# Altium PCB main_io.PcbDoc (part 2 of 3) (continued)
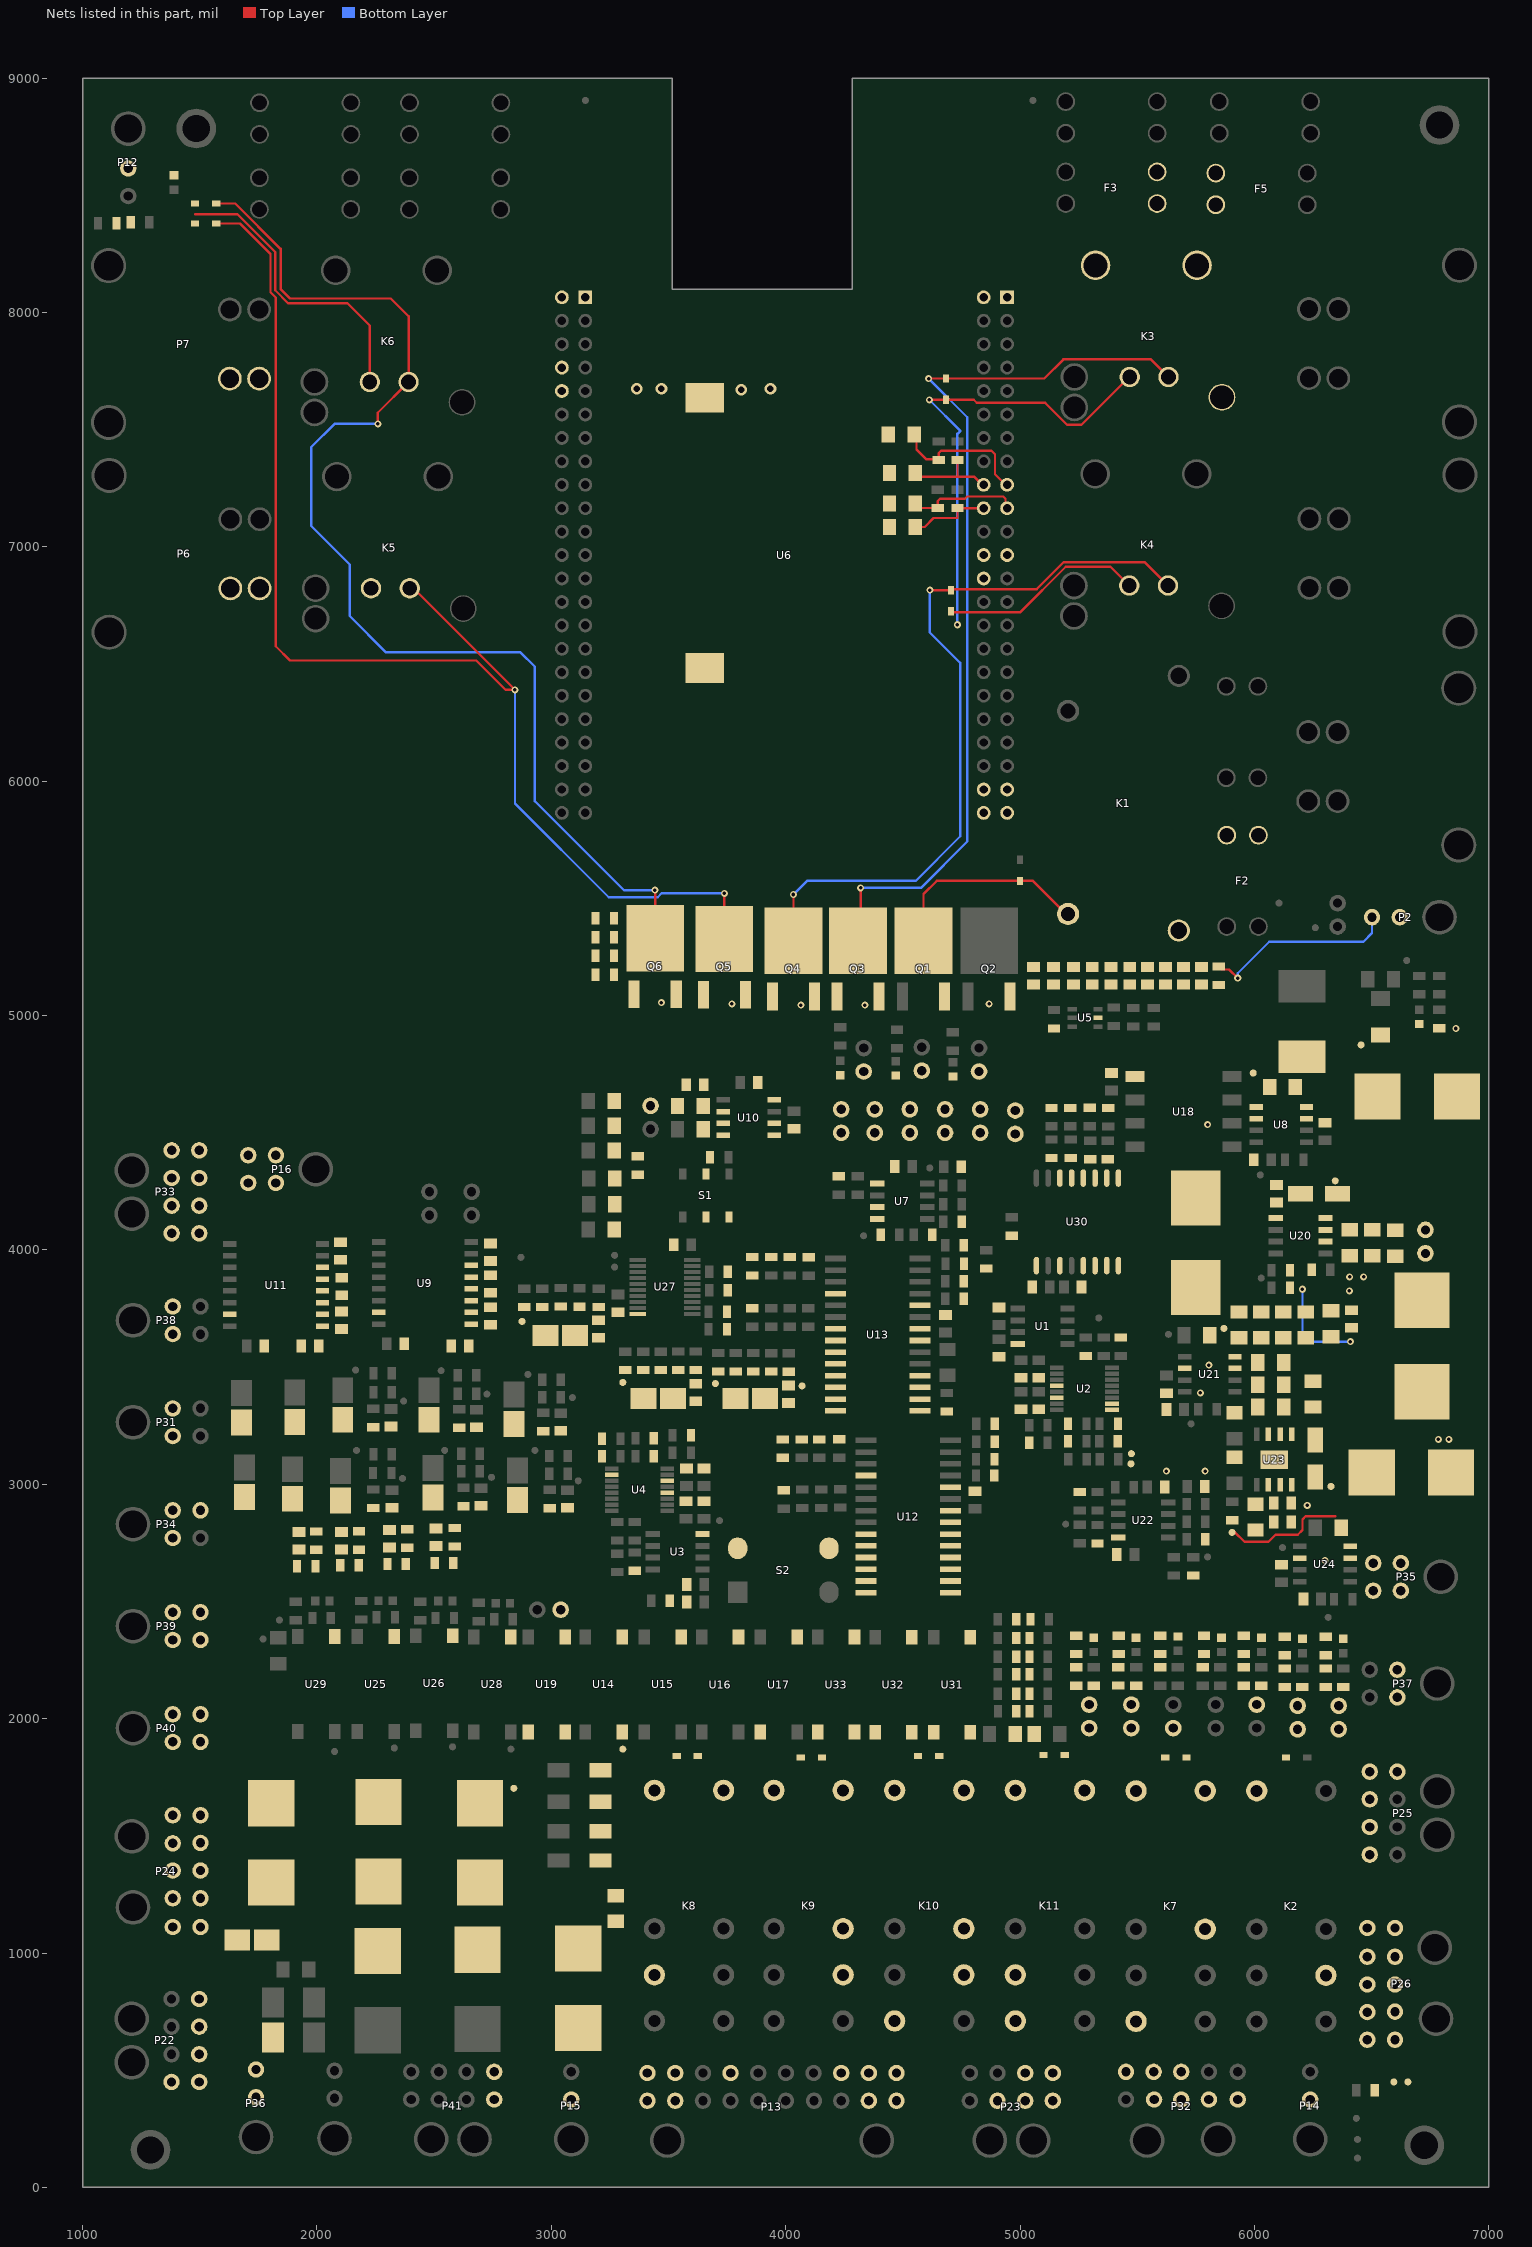
[diagram p4: the nets of this part, all layers, seen from the top]
## Part data (continued)
R94 R95 R100 R101: library part ERJ-6ENF6803V, "RES SMD 680K OHM 1% 1/8W 0805", Digi-Key Part Number=P680KCCT-ND, Manufacturer="Panasonic Electronic Components", Operating Temperature="-55°C ~ 155°C", Package / Case="0805 (2012 Metric)", Power (Watts)="0.125W, 1/8W", Supplier Device Package=0805, Temperature Coefficient=±100ppm/°C, Tolerance=±1%, @ qty=1500, Composition="Thick Film", Datasheets=http://industrial.panasonic.com/www-cgi/jvcr13pz.cgi?E+PZ+3+AOA0002+ERJ6ENF6803V+7+WW, Factory Stock=0, Failure Rate=-, Features="Automotive AEC-Q200", Height - Seated (Max)="0.028\" (0.70mm)", Image=//media.digikey.com/Renders/Panasonic%20Renders/ERJ-0805%20Pkg.jpg, Minimum Quantity=1, Number of Terminations=2, Packaging="Cut Tape (CT)", Part Number=ERJ-6ENF6803V, Part Status=Active, Quantity Available=41854, Series=ERJ, Size / Dimension="0.079\" L x 0.049\" W (2.00mm x 1.25mm)", Unit Price (USD)=0.00729
R96 R97 R103 R104 R151: library part ERJ-6ENF1473V, "RES SMD 147K OHM 1% 1/8W 0805", Digi-Key Part Number=P147KCCT-ND, Manufacturer="Panasonic Electronic Components", Operating Temperature="-55°C ~ 155°C", Package / Case="0805 (2012 Metric)", Power (Watts)="0.125W, 1/8W", Supplier Device Package=0805, Temperature Coefficient=±100ppm/°C, Tolerance=±1%, @ qty=1500, Composition="Thick Film", Datasheets=http://industrial.panasonic.com/www-cgi/jvcr13pz.cgi?E+PZ+3+AOA0002+ERJ6ENF1473V+7+WW, Factory Stock=0, Failure Rate=-, Features="Automotive AEC-Q200", Height - Seated (Max)="0.028\" (0.70mm)", Image=//media.digikey.com/Renders/Panasonic%20Renders/ERJ-0805%20Pkg.jpg, Minimum Quantity=1, Number of Terminations=2, Packaging="Cut Tape (CT)", Part Number=ERJ-6ENF1473V, Part Status=Active, Quantity Available=10283, Series=ERJ, Size / Dimension="0.079\" L x 0.049\" W (2.00mm x 1.25mm)", Unit Price (USD)=0.00729
R105 R106 R107 R116 R117 R118: library part ERJ-P06F1002V, "RES SMD 10K OHM 1% 1/2W 0805", Digi-Key Part Number=P16059CT-ND, Manufacturer="Panasonic Electronic Components", Operating Temperature="-55°C ~ 155°C", Package / Case="0805 (2012 Metric)", Power (Watts)="0.5W, 1/2W", Supplier Device Package=0805, Temperature Coefficient=±100ppm/°C, Tolerance=±1%, @ qty=1500, Composition="Thick Film", Datasheets=https://industrial.panasonic.com/cdbs/www-data/pdf/RDA0000/AOA0000C243.pdf, Factory Stock=0, Failure Rate=-, Features="Automotive AEC-Q200, Pulse Withstanding", Height - Seated (Max)="0.028\" (0.70mm)", Image=//media.digikey.com/Renders/Panasonic%20Renders/ERJ-0805%20Pkg.jpg, Minimum Quantity=1, Number of Terminations=2, Packaging="Cut Tape (CT)", Part Number=ERJ-P06F1002V, Part Status=Active, Quantity Available=42054, Series=ERJ, Size / Dimension="0.079\" L x 0.049\" W (2.00mm x 1.25mm)", Unit Price (USD)=0.02534
R115 R126 R135: library part ERJ-P06F2000V, "RES SMD 200 OHM 1% 1/2W 0805", Digi-Key Part Number=P16064CT-ND, Manufacturer="Panasonic Electronic Components", Operating Temperature="-55°C ~ 155°C", Package / Case="0805 (2012 Metric)", Power (Watts)="0.5W, 1/2W", Supplier Device Package=0805, Temperature Coefficient=±100ppm/°C, Tolerance=±1%, @ qty=1500, Composition="Thick Film", Datasheets=https://industrial.panasonic.com/cdbs/www-data/pdf/RDA0000/AOA0000C243.pdf, Factory Stock=0, Failure Rate=-, Features="Automotive AEC-Q200, Pulse Withstanding", Height - Seated (Max)="0.028\" (0.70mm)", Image=//media.digikey.com/Renders/Panasonic%20Renders/ERJ-0805%20Pkg.jpg, Minimum Quantity=1, Number of Terminations=2, Packaging="Cut Tape (CT)", Part Number=ERJ-P06F2000V, Part Status=Active, Quantity Available=14258, Series=ERJ, Size / Dimension="0.079\" L x 0.049\" W (2.00mm x 1.25mm)", Unit Price (USD)=0.02534
R139 R150: library part ERJ-MP2KF10MU, "RES SMD 0.01 OHM 1% 1/2W 1206", Digi-Key Part Number=P19322CT-ND, Manufacturer="Panasonic Electronic Components", Operating Temperature="-65°C ~ 170°C", Package / Case="1206 (3216 Metric)", Power (Watts)="0.5W, 1/2W", Supplier Device Package=1206, Temperature Coefficient=±75ppm/°C, Tolerance=±1%, @ qty=1500, Composition="Metal Element", Datasheets=https://industrial.panasonic.com/cdbs/www-data/pdf/RDA0000/AOA0000C263.pdf, Factory Stock=0, Failure Rate=-, Features="Automotive AEC-Q200, Current Sense, Moisture Resistant", Height - Seated (Max)="0.045\" (1.15mm)", Image=//media.digikey.com/Photos/Panasonic%20Elect%20Works%20Photos/MFG_ERJ-MS4.jpg, Minimum Quantity=1, Number of Terminations=2, Packaging="Cut Tape (CT)", Part Number=ERJ-MP2KF10MU, Part Status=Active, Quantity Available=2909, Series=ERJ, Size / Dimension="0.125\" L x 0.063\" W (3.18mm x 1.60mm)", Unit Price (USD)=0.15792
R142: library part ERJ-P06J331V, "RES SMD 330 OHM 5% 1/2W 0805", Digi-Key Part Number=P330ADCT-ND, Manufacturer="Panasonic Electronic Components", Operating Temperature="-55°C ~ 155°C", Package / Case="0805 (2012 Metric)", Power (Watts)="0.5W, 1/2W", Supplier Device Package=0805, Temperature Coefficient=±200ppm/°C, Tolerance=±5%, @ qty=1500, Composition="Thick Film", Datasheets=https://industrial.panasonic.com/cdbs/www-data/pdf/RDA0000/AOA0000C243.pdf, Factory Stock=0, Failure Rate=-, Features="Automotive AEC-Q200, Pulse Withstanding", Height - Seated (Max)="0.028\" (0.70mm)", Image=//media.digikey.com/Renders/Panasonic%20Renders/ERJ-0805%20Pkg.jpg, Minimum Quantity=1, Number of Terminations=2, Packaging="Cut Tape (CT)", Part Number=ERJ-P06J331V, Part Status=Active, Quantity Available=74125, Series=ERJ, Size / Dimension="0.079\" L x 0.049\" W (2.00mm x 1.25mm)", Unit Price (USD)=0.01839
R143: library part ERJ-6ENF3241V, "RES SMD 3.24K OHM 1% 1/8W 0805", Digi-Key Part Number=P3.24KCCT-ND, Manufacturer="Panasonic Electronic Components", Operating Temperature="-55°C ~ 155°C", Package / Case="0805 (2012 Metric)", Power (Watts)="0.125W, 1/8W", Supplier Device Package=0805, Temperature Coefficient=±100ppm/°C, Tolerance=±1%, @ qty=1500, Composition="Thick Film", Datasheets=http://industrial.panasonic.com/www-cgi/jvcr13pz.cgi?E+PZ+3+AOA0002+ERJ6ENF3241V+7+WW, Factory Stock=0, Failure Rate=-, Features="Automotive AEC-Q200", Height - Seated (Max)="0.028\" (0.70mm)", Image=//media.digikey.com/Renders/Panasonic%20Renders/ERJ-0805%20Pkg.jpg, Minimum Quantity=1, Number of Terminations=2, Packaging="Cut Tape (CT)", Part Number=ERJ-6ENF3241V, Part Status=Active, Quantity Available=47619, Series=ERJ, Size / Dimension="0.079\" L x 0.049\" W (2.00mm x 1.25mm)", Unit Price (USD)=0.00729
R147 R159: library part ERJ-P06J303V, "RES SMD 30K OHM 5% 1/2W 0805", Digi-Key Part Number=P30KADCT-ND, Manufacturer="Panasonic Electronic Components", Operating Temperature="-55°C ~ 155°C", Package / Case="0805 (2012 Metric)", Power (Watts)="0.5W, 1/2W", Supplier Device Package=0805, Temperature Coefficient=±200ppm/°C, Tolerance=±5%, @ qty=1500, Composition="Thick Film", Datasheets=https://industrial.panasonic.com/cdbs/www-data/pdf/RDA0000/AOA0000C243.pdf, Factory Stock=0, Failure Rate=-, Features="Automotive AEC-Q200, Pulse Withstanding", Height - Seated (Max)="0.028\" (0.70mm)", Image=//media.digikey.com/Renders/Panasonic%20Renders/ERJ-0805%20Pkg.jpg, Minimum Quantity=1, Number of Terminations=2, Packaging="Cut Tape (CT)", Part Number=ERJ-P06J303V, Part Status=Active, Quantity Available=7773, Series=ERJ, Size / Dimension="0.079\" L x 0.049\" W (2.00mm x 1.25mm)", Unit Price (USD)=0.01839
R153: library part ERJ-8ENF5622V, "RES SMD 56.2K OHM 1% 1/4W 1206", Digi-Key Part Number=P56.2KFCT-ND, Manufacturer="Panasonic Electronic Components", Operating Temperature="-55°C ~ 155°C", Package / Case="1206 (3216 Metric)", Power (Watts)="0.25W, 1/4W", Supplier Device Package=1206, Temperature Coefficient=±100ppm/°C, Tolerance=±1%, @ qty=1500, Composition="Thick Film", Datasheets=http://industrial.panasonic.com/www-cgi/jvcr13pz.cgi?E+PZ+3+AOA0002+ERJ8ENF5622V+7+WW, Factory Stock=0, Failure Rate=-, Features="Automotive AEC-Q200", Height - Seated (Max)="0.028\" (0.70mm)", Image=//media.digikey.com/Renders/Panasonic%20Renders/ERJ-1206%20Pkg.jpg, Minimum Quantity=1, Number of Terminations=2, Packaging="Cut Tape (CT)", Part Number=ERJ-8ENF5622V, Part Status=Active, Quantity Available=61996, Series=ERJ, Size / Dimension="0.126\" L x 0.063\" W (3.20mm x 1.60mm)", Unit Price (USD)=0.00933
R154: library part ERJ-8ENF1333V, "RES SMD 133K OHM 1% 1/4W 1206", Digi-Key Part Number=P133KFCT-ND, Manufacturer="Panasonic Electronic Components", Operating Temperature="-55°C ~ 155°C", Package / Case="1206 (3216 Metric)", Power (Watts)="0.25W, 1/4W", Supplier Device Package=1206, Temperature Coefficient=±100ppm/°C, Tolerance=±1%, @ qty=1500, Composition="Thick Film", Datasheets=http://industrial.panasonic.com/www-cgi/jvcr13pz.cgi?E+PZ+3+AOA0002+ERJ8ENF1333V+7+WW, Factory Stock=0, Failure Rate=-, Features="Automotive AEC-Q200", Height - Seated (Max)="0.028\" (0.70mm)", Image=//media.digikey.com/Renders/Panasonic%20Renders/ERJ-1206%20Pkg.jpg, Minimum Quantity=1, Number of Terminations=2, Packaging="Cut Tape (CT)", Part Number=ERJ-8ENF1333V, Part Status=Active, Quantity Available=48755, Series=ERJ, Size / Dimension="0.126\" L x 0.063\" W (3.20mm x 1.60mm)", Unit Price (USD)=0.00933
R155: library part ERJ-8ENF1052V, "RES SMD 10.5K OHM 1% 1/4W 1206", Digi-Key Part Number=P10.5KFCT-ND, Manufacturer="Panasonic Electronic Components", Operating Temperature="-55°C ~ 155°C", Package / Case="1206 (3216 Metric)", Power (Watts)="0.25W, 1/4W", Supplier Device Package=1206, Temperature Coefficient=±100ppm/°C, Tolerance=±1%, @ qty=1500, Composition="Thick Film", Datasheets=http://industrial.panasonic.com/www-cgi/jvcr13pz.cgi?E+PZ+3+AOA0002+ERJ8ENF1052V+7+WW, Factory Stock=0, Failure Rate=-, Features="Automotive AEC-Q200", Height - Seated (Max)="0.028\" (0.70mm)", Image=//media.digikey.com/Renders/Panasonic%20Renders/ERJ-1206%20Pkg.jpg, Minimum Quantity=1, Number of Terminations=2, Packaging="Cut Tape (CT)", Part Number=ERJ-8ENF1052V, Part Status=Active, Quantity Available=13288, Series=ERJ, Size / Dimension="0.126\" L x 0.063\" W (3.20mm x 1.60mm)", Unit Price (USD)=0.00933
R164 R167 R174 R177: library part ERJ-6ENF1001V, "RES SMD 1K OHM 1% 1/8W 0805", Digi-Key Part Number=P1.00KCCT-ND, Manufacturer="Panasonic Electronic Components", Operating Temperature="-55°C ~ 155°C", Package / Case="0805 (2012 Metric)", Power (Watts)="0.125W, 1/8W", Supplier Device Package=0805, Temperature Coefficient=±100ppm/°C, Tolerance=±1%, @ qty=1500, Composition="Thick Film", Datasheets=http://industrial.panasonic.com/www-cgi/jvcr13pz.cgi?E+PZ+3+AOA0002+ERJ6ENF1001V+7+WW, Factory Stock=0, Failure Rate=-, Features="Automotive AEC-Q200", Height - Seated (Max)="0.028\" (0.70mm)", Image=//media.digikey.com/Renders/Panasonic%20Renders/ERJ-0805%20Pkg.jpg, Minimum Quantity=1, Number of Terminations=2, Packaging="Cut Tape (CT)", Part Number=ERJ-6ENF1001V, Part Status=Active, Quantity Available=12895103, Series=ERJ, Size / Dimension="0.079\" L x 0.049\" W (2.00mm x 1.25mm)", Unit Price (USD)=0.00729
R185 R186 R188 R190 R191 R192 R195 R197 R198 R199 R200 R202 R204 R206: library part ERJ-P06F1001V, "RES SMD 1K OHM 1% 1/2W 0805", Digi-Key Part Number=P16058CT-ND, Manufacturer="Panasonic Electronic Components", Operating Temperature="-55°C ~ 155°C", Package / Case="0805 (2012 Metric)", Power (Watts)="0.5W, 1/2W", Supplier Device Package=0805, Temperature Coefficient=±100ppm/°C, Tolerance=±1%, @ qty=1500, Composition="Thick Film", Datasheets=https://industrial.panasonic.com/cdbs/www-data/pdf/RDA0000/AOA0000C243.pdf, Factory Stock=0, Failure Rate=-, Features="Automotive AEC-Q200, Pulse Withstanding", Height - Seated (Max)="0.028\" (0.70mm)", Image=//media.digikey.com/Renders/Panasonic%20Renders/ERJ-0805%20Pkg.jpg, Minimum Quantity=1, Number of Terminations=2, Packaging="Cut Tape (CT)", Part Number=ERJ-P06F1001V, Part Status=Active, Quantity Available=161264, Series=ERJ, Size / Dimension="0.079\" L x 0.049\" W (2.00mm x 1.25mm)", Unit Price (USD)=0.02534
R187 R189 R194 R196 R201 R203 R205: library part ERJ-6ENF6341V, "RES SMD 6.34K OHM 1% 1/8W 0805", Digi-Key Part Number=P6.34KCCT-ND, Manufacturer="Panasonic Electronic Components", Operating Temperature="-55°C ~ 155°C", Package / Case="0805 (2012 Metric)", Power (Watts)="0.125W, 1/8W", Supplier Device Package=0805, Temperature Coefficient=±100ppm/°C, Tolerance=±1%, @ qty=1500, Composition="Thick Film", Datasheets=http://industrial.panasonic.com/www-cgi/jvcr13pz.cgi?E+PZ+3+AOA0002+ERJ6ENF6341V+7+WW, Factory Stock=0, Failure Rate=-, Features="Automotive AEC-Q200", Height - Seated (Max)="0.028\" (0.70mm)", Image=//media.digikey.com/Renders/Panasonic%20Renders/ERJ-0805%20Pkg.jpg, Minimum Quantity=1, Number of Terminations=2, Packaging="Cut Tape (CT)", Part Number=ERJ-6ENF6341V, Part Status=Active, Quantity Available=19605, Series=ERJ, Size / Dimension="0.079\" L x 0.049\" W (2.00mm x 1.25mm)", Unit Price (USD)=0.00729
S1: "SWITCH SLIDE DPDT 200MA 12V", Current Rating=200mA, Manufacturer="Nidec Copal", Max Operating Temperature=85°C, Min Operating Temperature=-40°C, Operating Force=153gf, Supplier Part Number 1=563-1342-6-ND, Voltage Rating (DC)=12V, Actuator Length=2mm, Actuator Material=Nylon,Polyamide, Actuator Type=Standard, ComponentLink1Description=https://www.nidec-copal-electronics.com/e/catalog/switch/cl-sb.pdf?src-supplier=Digi-Key, ComponentLink1URL=https://www.nidec-copal-electronics.com/e/catalog/switch/cl-sb.pdf?src-supplier=Digi-Key, Contact Material=Copper, Contact Plating=Silver, Contact Style=Non-Shorting, Electrical Life=10000Cycles, Lead Free="Lead Free", Mount="Surface Mount", Packaging="Tape and Reel", Pricing 1="1=1.02, 10=0.979, 25=0.9592, 50=0.857, 100=0.8162, 250=0.79584 (USD)", Stock 1=3664, Supplier 1=Digi-Key, Switch Function=On-On, Switch Travel=2mm, Termination="Gull Wing", Throw Configuration=DPDT
S2: library part K12SCS1.55NOLFTX, "OFF-mom push button SPST K12SCS1.55NOLFTX", Current Rating=100mA, Manufacturer="ITT C&K", Max Operating Temperature=85°C, Min Operating Temperature=-40°C, Ratings=IP40, Supplier Part Number 1=CKN10790CT-ND, Voltage Rating (DC)=30V, Actuator Type="Round, Button", ComponentLink1Description=https://www.ckswitches.com/media/1338/k12s.pdf?src-supplier=Digi-Key, ComponentLink1URL=https://www.ckswitches.com/media/1338/k12s.pdf?src-supplier=Digi-Key, ComponentLink2Description=https://www.digikey.com/product-detail/en/c-k/K12SCS1.55NOLFTX/CKN10790CT-ND/7056072, ComponentLink2URL=https://www.digikey.com/product-detail/en/c-k/K12SCS1.55NOLFTX/CKN10790CT-ND/7056072, Electrical Life=200000Cycles, Manufacturer Part Number=K12SCS1.55NOLFTX, Mechanical Life=200000Cycles, Mount="Surface Mount", Packaging="Cut Tape", Pricing 1="1=2.33, 10=2.175, 25=2.0716, 50=1.968, 100=1.9162, 250=1.86436 (USD)", Stock 1=4036, Supplier 1=Digi-Key, Switch Function=Off-Mom, Termination=SMD/SMT, Throw Configuration=SPST
TH1 TH2 TH3 TH4 TH5 TH6: "NTC THERMISTOR 4.7K OHM 5% 0805", Case/Package=0805, Case Code (Metric)=2012, Current Rating=650uA, Manufacturer=Murata, Max Operating Temperature=125°C, Max Power Dissipation=200mW, Min Operating Temperature=-40°C, Package Quantity=4000, Resistance=4.7kR, Supplier Part Number 1=490-2453-1-ND, Tolerance=5%, Accuracy=3%, Case Code (Imperial)=0805, ComponentLink1Description=https://datasheet.ciiva.com/30488/0900766b81259d06-30488337.pdf?src-supplier=RSComponents, ComponentLink1URL=https://datasheet.ciiva.com/30488/0900766b81259d06-30488337.pdf?src-supplier=RSComponents, ComponentLink2Description=https://datasheet.ciiva.com/2848/r44e-2848550.pdf?src-supplier=Digi-Key, ComponentLink2URL=https://datasheet.ciiva.com/2848/r44e-2848550.pdf?src-supplier=Digi-Key, ComponentLink3Description=https://datasheet.ciiva.com/24155/r44e-24155222.pdf?src-supplier=Future+Electronics, ComponentLink3URL=https://datasheet.ciiva.com/24155/r44e-24155222.pdf?src-supplier=Future+Electronics, ComponentLink4Description=https://datasheet.ciiva.com/2848/r44e-2848551.pdf?src-supplier=Digi-Key, ComponentLink4URL=https://datasheet.ciiva.com/2848/r44e-2848551.pdf?src-supplier=Digi-Key, ComponentLink5Description=https://datasheet.ciiva.com/2848/r44e-2848552.pdf?src-supplier=Digi-Key, ComponentLink5URL=https://datasheet.ciiva.com/2848/r44e-2848552.pdf?src-supplier=Digi-Key, ComponentLink6Description=https://datasheet.ciiva.com/16634/l0770c-16634105.pdf?src-supplier=Avnet+Europe, ComponentLink6URL=https://datasheet.ciiva.com/16634/l0770c-16634105.pdf?src-supplier=Avnet+Europe, ComponentLink7Description=https://datasheet.ciiva.com/3280/l0770c-3280522.pdf?src-supplier=Avnet, ComponentLink7URL=https://datasheet.ciiva.com/3280/l0770c-3280522.pdf?src-supplier=Avnet, Depth=1.25mm, DNP=DNP, Height=0.85mm, Lead Free="Lead Free", Length=2mm, Manufacturer Part Number=NCP21XM472J03RA, Mount="Surface Mount", Number of Pins=2, Packaging="Tape and Reel", Power Rating=200mW, Pricing 1="1=0.20000, 5=0.19400, 10=0.17300, 25=0.15920, 50=0.12760, 100=0.10930, 500=0.09564, 1000=0.08197 (USD)", Radiation Hardening=No, REACH SVHC="No SVHC", RoHS=Yes, Stock 1=51855, Supplier 1=Digi-Key, Termination=SMD/SMT, Width=1.25mm
TP1 TP2 TP3 TP4 TP5 TP6 TP7 TP8 TP9 TP10 TP11 TP12 TP13 TP14 TP15 TP16 TP17 TP18 TP19 TP20 TP21 TP22 TP23 TP24 TP25 TP26 TP27 TP28 TP29 TP30 TP31 TP32 TP33 TP34 TP35 TP36 TP37 TP38 TP39 TP40 TP41 TP42 TP43 TP44 TP45 TP46 TP47 TP48 TP49 TP50 TP51 TP52 TP53 TP54 TP55 TP56 TP57: "SMD TEST POINT"
U1 U3: "IC VREF SERIES 4.5V 8SOIC", Case/Package=R, Manufacturer="Analog Devices", Max Input Voltage=18V, Max Operating Temperature=85°C, Max Output Current=30mA, Max Output Voltage=4.5V, Min Input Voltage=4.75V, Min Operating Temperature=-40°C, Min Output Voltage=4.49V, Nominal Supply Current=45uA, Package Quantity=98, Quiescent Current=15uA, Supplier Part Number 1=REF194GSZ-ND, Temperature Coefficient=25ppm/°C, ComponentLink1Description=https://datasheet.ciiva.com/17219/ref19xseries-17219157.pdf?src-supplier=Avnet+Europe, ComponentLink1URL=https://datasheet.ciiva.com/17219/ref19xseries-17219157.pdf?src-supplier=Avnet+Europe, ComponentLink2Description=https://datasheet.ciiva.com/22666/1506113-22666153.pdf?src-supplier=Element14, ComponentLink2URL=https://datasheet.ciiva.com/22666/1506113-22666153.pdf?src-supplier=Element14, ComponentLink3Description=https://datasheet.ciiva.com/2005/ref19xseries-2005902.pdf?src-supplier=Digi-Key, ComponentLink3URL=https://datasheet.ciiva.com/2005/ref19xseries-2005902.pdf?src-supplier=Digi-Key, ComponentLink4Description=https://datasheet.ciiva.com/3235/ref19xseries-3235518.pdf?src-supplier=Avnet, ComponentLink4URL=https://datasheet.ciiva.com/3235/ref19xseries-3235518.pdf?src-supplier=Avnet, Height=1.5mm, Lead Free="Contains Lead", Length=5mm, Manufacturer Part Number=REF194GSZ, Number of Channels=1, Number of Pins=8, Operating Supply Current=45uA, Output Current=30mA, Output Voltage=4.5V, Packaging=Rail/Tube, Pricing 1="1=3.56000, 10=3.19700, 25=3.02240, 100=2.61940, 250=2.48512, 500=2.22988, 1000=1.88062, 2500=1.78659 (USD)", Radiation Hardening=No, REACH SVHC="No SVHC", Reference Type=Series, Reference Voltage=4.5V, RoHS=Yes, Stock 1=359, Supplier 1=Digi-Key, Width=4mm
U2 U4: "Analog to Digital Converters - ADC", Case/Package=TSSOP, Manufacturer="TI National Semiconductor", Max Operating Temperature=125°C, Max Power Dissipation=33mW, Max Supply Voltage=5.5V, Min Operating Temperature=-40°C, Min Supply Voltage=3V, Package Quantity=2500, Power Consumption=2mW, Power Dissipation=2.01mW, Supplier Part Number 1=296-41182-1-ND, ComponentLink1Description=https://datasheet.ciiva.com/14259/adc128d818-14259977.pdf?src-supplier=Avnet, ComponentLink1URL=https://datasheet.ciiva.com/14259/adc128d818-14259977.pdf?src-supplier=Avnet, Contact Plating=Tin,Matte, Differential Nonlinearity=1LSB, Integral Nonlinearity (INL)=-2LSB, Interface=I2C, Lead Free="Lead Free", Manufacturer Part Number=ADC128D818CIMTX/NOPB, Mount="Surface Mount", Number of A/D Converters=1, Number of Bits=12, Number of Channels=8, Number of Converters=4, Number of Elements=1, Number of Inputs=8, Number of Pins=16, Packaging="Tape and Reel", Polarity=Unipolar, Pricing 1="1=4.68000, 10=4.20700, 100=3.44660, 500=2.93402, 1000=2.47447 (USD)", Radiation Hardening=No, Resolution=12b, RoHS=Yes, Sampling Rate=10000S/s, Stock 1=21177, Supplier 1=Digi-Key, Supply Type=Analog,Digital,Single
U5: "IC COMP WINDOW W/REF 6SOT", Case/Package=SOT-23-6, Manufacturer="Texas Instruments", Max Operating Temperature=125°C, Max Supply Voltage=36V, Min Operating Temperature=-40°C, Min Supply Voltage=1.8V, Quiescent Current=11uA, Supplier Part Number 1=296-38622-1-ND, ComponentLink1Description=http://www.ti.com/general/docs/lit/getliterature.tsp?genericPartNumber=TPS3701&amp;&amp;fileType=pdf&src-supplier=Farnell, ComponentLink1URL=http://www.ti.com/general/docs/lit/getliterature.tsp?genericPartNumber=TPS3701&amp;&amp;fileType=pdf&src-supplier=Farnell, ComponentLink2Description=http://www.ti.com/general/docs/lit/getliterature.tsp?genericPartNumber=TPS3701&&fileType=pdf&src-supplier=Element14, ComponentLink2URL=http://www.ti.com/general/docs/lit/getliterature.tsp?genericPartNumber=TPS3701&&fileType=pdf&src-supplier=Element14, ComponentLink3Description=http://www.ti.com/lit/ds/symlink/tps3701.pdf?src-supplier=Digi-Key, ComponentLink3URL=http://www.ti.com/lit/ds/symlink/tps3701.pdf?src-supplier=Digi-Key, ComponentLink4Description=http://www.ti.com/general/docs/lit/getliterature.tsp?genericPartNumber=TPS3701&&fileType=pdf&src-supplier=Avnet, ComponentLink4URL=http://www.ti.com/general/docs/lit/getliterature.tsp?genericPartNumber=TPS3701&&fileType=pdf&src-supplier=Avnet, ComponentLink5Description=http://www.ti.com/lit/gpn/tps3701?src-supplier=Mouser, ComponentLink5URL=http://www.ti.com/lit/gpn/tps3701?src-supplier=Mouser, Hysteresis=5.5mV, Lead Free="Lead Free", Mount="Surface Mount", Number of Elements=1, Number of Pins=6, Packaging="Tape and Reel", Pricing 1="1=2.74, 10=2.459, 25=2.32, 100=1.8561 (USD)", Propagation Delay=28.1us, REACH SVHC="No SVHC", Response Time=155us, Stock 1=2174, Supplier 1=Digi-Key
U6: library part Beaglebone, "Beaglebone Black Rev C Header"
U7 U22: "IC OPAMP JFET 3MHZ 8SOIC", Case/Package=D, Dual Supply Voltage=9V, Input Bias Current=200pA, Input Offset Voltage (Vos)=10mV, Manufacturer="Texas Instruments", Max Dual Supply Voltage=18V, Max Operating Temperature=85°C, Min Dual Supply Voltage=3.5V, Min Operating Temperature=-40°C, Nominal Supply Current=5mA, Operating Supply Current=1.4mA, Package Quantity=1, Supplier Part Number 1=296-1282-6-ND, Voltage Gain=106.02dB, Bandwidth=3MHz, Common Mode Rejection Ratio=70dB, ComponentLink1Description=http://www.ti.com/lit/ds/symlink/tl071a.pdf?src-supplier=Digi-Key, ComponentLink1URL=http://www.ti.com/lit/ds/symlink/tl071a.pdf?src-supplier=Digi-Key, ComponentLink2Description=http://www.ti.com/general/docs/lit/getliterature.tsp?genericPartNumber=TL072&&fileType=pdf&src-supplier=Avnet, ComponentLink2URL=http://www.ti.com/general/docs/lit/getliterature.tsp?genericPartNumber=TL072&&fileType=pdf&src-supplier=Avnet, ComponentLink3Description=http://www.farnell.com/datasheets/1882732.pdf?src-supplier=Element14, ComponentLink3URL=http://www.farnell.com/datasheets/1882732.pdf?src-supplier=Element14, Contact Plating=Gold, Gain Bandwidth Product=3MHz, Height=1.58mm, Lead Free="Lead Free", Length=4.9mm, Max I/O Voltage=10mV, Max Supply Voltage=18V, Nominal Gain Bandwidth Product=3MHz, Number of Amplifiers=2, Number of Channels=2, Number of Circuits=2, Number of Elements=2, Number of Pins=8, Packaging="Tape and Reel", Pricing 1="1=0.41, 10=0.334, 100=0.2059, 500=0.1562, 1000=0.11715 (USD)", Radiation Hardening=No, REACH SVHC="No SVHC", Slew Rate=13V/µs, Stock 1=21821, Supplier 1=Digi-Key, Unity Gain Bandwidth Product=3MHz, Width=3.91mm
U8 U21 U24: "IC AMP CURRENT SENSE 8-TSSOP 100V/V", Case/Package=TSSOP, Input Bias Current=90uA, Input Offset Voltage (Vos)=5uV, Manufacturer="Texas Instruments", Max Operating Temperature=125°C, Min Operating Temperature=-40°C, Operating Supply Current=1.8mA, Supplier Part Number 1=296-45090-1-ND, -3db Bandwidth=400kHz, ComponentLink1Description=http://www.ti.com/general/docs/lit/getliterature.tsp?genericPartNumber=INA240&fileType=pdf&src-supplier=Farnell, ComponentLink1URL=http://www.ti.com/general/docs/lit/getliterature.tsp?genericPartNumber=INA240&fileType=pdf&src-supplier=Farnell, ComponentLink2Description=http://www.ti.com/lit/ds/symlink/ina240.pdf?src-supplier=Digi-Key, ComponentLink2URL=http://www.ti.com/lit/ds/symlink/ina240.pdf?src-supplier=Digi-Key, Mount="Surface Mount", Number of Circuits=1, Number of Pins=8, Packaging="Tape and Reel", Pricing 1="1=2.65, 10=2.377, 25=2.2428, 100=1.7943, 250=1.56996, 500=1.52512, 1000=1.21113 (USD)", Slew Rate=2V/µs, Stock 1=4680, Supplier 1=Digi-Key
U9 U11: "IC DRVR/RCVR MULTCH RS232 16SOIC", Case/Package=SOIC, Manufacturer="Texas Instruments", Max Operating Temperature=85°C, Max Supply Voltage=5.5V, Min Operating Temperature=-40°C, Min Supply Voltage=4.5V, Nominal Supply Current=10mA, Operating Supply Voltage=5V, Package Quantity=2000, Supplier Part Number 1=296-14620-1-ND, ComponentLink1Description=http://www.ti.com/lit/ds/symlink/max232.pdf?src-supplier=Digi-Key, ComponentLink1URL=http://www.ti.com/lit/ds/symlink/max232.pdf?src-supplier=Digi-Key, ComponentLink2Description=http://datasheet.iiic.cc/texas_instruments/MAX232DWR.pdf?src-supplier=IIIC, ComponentLink2URL=http://datasheet.iiic.cc/texas_instruments/MAX232DWR.pdf?src-supplier=IIIC, Data Rate=120Kbps, Height=2.35mm, Lead Free="Lead Free", Length=10.28mm, Logic Function=Transceiver,Receiver, Manufacturer Part Number=MAX232DWR, Mount="Surface Mount", Number of Drivers=2, Number of Pins=16, Number of Receivers=2, Number of Transceivers=1, Number of Transmitters=2, Packaging="Tape and Reel", Pricing 1="1=1.16, 10=1.036, 100=0.7551, 500=0.63222, 1000=0.49172 (USD)", Radiation Hardening=No, REACH SVHC="No SVHC", Simplex/Duplex="Full Duplex", Stock 1=5901, Supplier 1=Digi-Key, Weight=0.014829oz, Width=7.52mm
U10: "IC TXRX CAN 5V HS 8SOIC", Manufacturer=TI, Manufacturer P/N=SN65HVD256DR, Digikey Link=https://www.digikey.com/product-detail/en/texas-instruments/SN65HVD256DR/296-30093-1-ND/2798832, Digikey P/N=296-30093-1-ND
U12 U13: "IC I/O EXPANDER I2C 16B 28SOIC", Manufacturer=Microchip, Digikey Link=https://www.digikey.com/product-detail/en/microchip-technology/MCP23017T-E-SO/MCP23017T-E-SOCT-ND/5358289, Digikey P/N=MCP23017T-E/SOCT-ND, Manufacturer P/N=MCP23017T-E/SO
U14 U15 U16 U17 U19 U25 U26 U28 U29 U31 U32 U33: "OPTOISO 5KV TRANS 4SOP", Manufacturer="Taiwan Semi", Manufacturer P/N="TPC817S1B RAG", Digikey Link=https://www.digikey.com/product-detail/en/taiwan-semiconductor-corporation/TPC817S1B-RAG/TPC817S1BRAGCT-ND/7359679, Digikey P/N=TPC817S1BRAGCT-ND
U18: "Honeywell Digital Pressure Sensor", ComponentLink1Description=Part, ComponentLink1URL=https://www.digikey.com/product-detail/en/honeywell-sensing-and-productivity-solutions/SSCMNNN030PA2A3/480-6407-ND/2416123, ComponentLink2Description=Datasheet, ComponentLink2URL=https://sensing.honeywell.com/index.php?ci_id=151134
U20: Case/Package=D, Manufacturer="Texas Instruments", Manufacturer Part Number=TPS5420D, Max Input Voltage=36V, Max Operating Temperature=125°C, Max Output Current=2A, Max Output Voltage=31V, Min Input Voltage=5.5V, Min Operating Temperature=-40°C, Min Output Voltage=1.23V, Package Quantity=75, Quiescent Current=3mA, Supplier Part Number 1=296-19671-5-ND, Switching Frequency=500kHz, ComponentLink1Description=https://datasheet.ciiva.com/4880/slvs642c-120503-4880259.pdf?src-supplier=Mouser, ComponentLink1URL=https://datasheet.ciiva.com/4880/slvs642c-120503-4880259.pdf?src-supplier=Mouser, ComponentLink2Description=https://datasheet.ciiva.com/15113/getdatasheetpartid-188336-15113748.pdf?src-supplier=Verical, ComponentLink2URL=https://datasheet.ciiva.com/15113/getdatasheetpartid-188336-15113748.pdf?src-supplier=Verical, ComponentLink3Description=https://datasheet.ciiva.com/27051/1113040-27051457.pdf?src-supplier=Jameco, ComponentLink3URL=https://datasheet.ciiva.com/27051/1113040-27051457.pdf?src-supplier=Jameco, ComponentLink4Description=https://datasheet.ciiva.com/26896/tps5420d-26896666.pdf?src-supplier=IIIC, ComponentLink4URL=https://datasheet.ciiva.com/26896/tps5420d-26896666.pdf?src-supplier=IIIC, ComponentLink5Description=https://datasheet.ciiva.com/2026/tps5420-2026757.pdf?src-supplier=Digi-Key, ComponentLink5URL=https://datasheet.ciiva.com/2026/tps5420-2026757.pdf?src-supplier=Digi-Key, ComponentLink6Description=https://datasheet.ciiva.com/7993/1764415-7993820.pdf?src-supplier=Element14, ComponentLink6URL=https://datasheet.ciiva.com/7993/1764415-7993820.pdf?src-supplier=Element14, ComponentLink7Description=https://datasheet.ciiva.com/3220/tps5420-3220182.pdf?src-supplier=Avnet, ComponentLink7URL=https://datasheet.ciiva.com/3220/tps5420-3220182.pdf?src-supplier=Avnet, ComponentLink8Description=https://datasheet.ciiva.com/26248/tps5420-26248554.pdf?src-supplier=Avnet+Europe, ComponentLink8URL=https://datasheet.ciiva.com/26248/tps5420-26248554.pdf?src-supplier=Avnet+Europe, Efficiency=95%, Height=1.58mm, Lead Free="Lead Free", Length=4.9mm, Number of Outputs=1, Number of Pins=8, Operating Supply Voltage=36V, Output Current=2A, Output Type=Adjustable, Output Voltage=31V, Packaging=Rail/Tube, Pricing 1="1=3.78000, 10=3.39400, 75=3.20853, 150=2.78073, 525=2.36716, 1050=1.99640, 2550=1.89658, 5025=1.82528 (USD)", Radiation Hardening=No, REACH SVHC="No SVHC", RoHS=Yes, Stock 1=5221, Supplier 1=Digi-Key, Synchronous Rectifier=No, Weight=0.002677oz, Width=3.91mm
U23: "IC REG BUCK SPLT ADJ 5A 8PWRSOIC", Manufacturer="Texas Instruments", Max Input Voltage=60V, Max Operating Temperature=125°C, Max Output Voltage=58.8V, Min Input Voltage=4.5V, Min Operating Temperature=-40°C, Min Output Voltage=800mV, Output Current=5A, Supplier Part Number 1=296-45534-6-ND, Switching Frequency=2.5MHz, ComponentLink1Description=http://www.ti.com/lit/ds/symlink/tps54560b-q1.pdf?src-supplier=Digi-Key, ComponentLink1URL=http://www.ti.com/lit/ds/symlink/tps54560b-q1.pdf?src-supplier=Digi-Key, Mount="Surface Mount", Number of Outputs=1, Number of Pins=8, Output Configuration=Positive, Output Type=Adjustable, Packaging="Tape and Reel", Pricing 1="1=5.95, 10=5.347, 100=4.1559, 500=3.59428, 1000=2.98775 (USD)", Stock 1=1216, Supplier 1=Digi-Key, Synchronous Rectifier=No
U27: "GreenPAK Programmable Mixed Signal Matrix with In-System Programmability", Manufacturer="Dialog Semiconductor", Manufacturer Part Number=SLG46826V-SKT, Supplier Part Number 1=03AH3078, Pricing 1="1=45.65000, 5=44.43000, 10=43.15000, 25=42.51000, 50=41.89000, 100=39.38000 (USD)", RoHS=No, Stock 1=4, Supplier 1=Newark
U30: library part DS3231, Case/Package=SOIC, Frequency=32.768kHz, Manufacturer=Maxim, Manufacturer Part Number=DS3231SN#, Max Operating Temperature=85°C, Max Supply Voltage=5.5V, Min Operating Temperature=-40°C, Min Supply Voltage=2.3V, Operating Supply Voltage=3.3V, Package Quantity=46, Supplier Part Number 1=DS3231SN#-ND, ComponentLink1Description=https://datasheets.maximintegrated.com/en/ds/DS3231-DS3231S.pdf?src-supplier=Digi-Key, ComponentLink1URL=https://datasheets.maximintegrated.com/en/ds/DS3231-DS3231S.pdf?src-supplier=Digi-Key, ComponentLink2Description=http://datasheets.maxim-ic.com/en/ds/DS3231.pdf?src-supplier=Avnet+Europe, ComponentLink2URL=http://datasheets.maxim-ic.com/en/ds/DS3231.pdf?src-supplier=Avnet+Europe, ComponentLink3Description=http://www.farnell.com/datasheets/1675711.pdf?src-supplier=Element14, ComponentLink3URL=http://www.farnell.com/datasheets/1675711.pdf?src-supplier=Element14, ComponentLink4Description=http://www.mouser.com/ds/2/256/DS3231-102175.pdf?src-supplier=Mouser, ComponentLink4URL=http://www.mouser.com/ds/2/256/DS3231-102175.pdf?src-supplier=Mouser, ComponentLink5Description=http://datasheets.maximintegrated.com/en/ds/DS3231.pdf?src-supplier=Avnet, ComponentLink5URL=http://datasheets.maximintegrated.com/en/ds/DS3231.pdf?src-supplier=Avnet, ComponentLink6Description=http://datasheet.iiic.cc/maxim/DS3231SN_.pdf?src-supplier=IIIC, ComponentLink6URL=http://datasheet.iiic.cc/maxim/DS3231SN_.pdf?src-supplier=IIIC, Date Format=YY-MM-DD-dd, Height=2.35mm, Interface=I2C,Serial,2-Wire, Lead Free="Lead Free", Length=10.5mm, Logic Function=Clock, Mount="Surface Mount", Number of Outputs=1, Number of Pins=16, Packaging=Bulk, Pricing 1="1=9.61, 10=8.685, 25=8.2812, 100=7.1906, 250=6.8674, 500=6.26146, 1000=5.45353 (USD)", Radiation Hardening=No, REACH SVHC=Unknown, Stock 1=2824, Supplier 1=Digi-Key, Termination=SMD/SMT, Time Format=HH:MM:SS, Weight=0.023492oz, Width=7.6mm

## Via types
v1: diameter 30, hole 15, Top Layer to Bottom Layer, 46 vias
v2: diameter 50, hole 28, Top Layer to Bottom Layer, 4 vias

## Nets (pads, with @x,y where several pads share a name; then routed paths per layer and width w, separated by ;. In a path a pad name is that pad's centre, name@x,y a point inside that pad or via, vN(x,y) a via of type N, cw(c..) or ccw(c..) an arc to the next point about the centre after c; other vN are vias at no path point)
12V_SPLY_EN: U13.28 U23.3
32kHz: R180.1 U13.7 U30.1
ADC0_INT: R1.1 U2.6
ADC1_INT: R12.1 U4.6
ADC_EXTRA0: C52.1 R114.2 TP22.1 U2.10
ADC_EXTRA1: C56.1 R125.2 TP30.1 U2.9
ADC_EXTRA2: C58.1 R134.2 TP32.1 U4.10
ANLG_EXC_0: P33.8 R108.1 R109.1 TP21.1
ANLG_EXC_1: P33.2 P33.5 R120.1 R121.1 TP29.1
ANLG_EXC_2: R128.1 R129.1 TP31.1
ANLG_EXC_3: P33.3 P33.7
ANLG_RTN_0: D15.1 P33.4 R113.2
ANLG_RTN_1: D19.1 R124.2
ANLG_RTN_2: D20.1 R132.2
BATT0_DISABLE: Q4.1 R32.2 U13.24
BATT1_DISABLE: Q3.1 R31.2 U13.25
BATT2_DISABLE: Q5.1 R33.2 U13.26
BATT3_DISABLE: Q6.1 R34.2 U13.27
BMS_MPI1: P13.10 U12.27
BMS_MPO1: K10.7 LED3.2 P12.1 P13.2 P14.1
BMS_MPO2: P13.9
BMS_PWR: C24.1 F11.2 P13.19 P13.20
BMS_STAT_FDBK: R189.2 R190.1 U12.6
BRK0_PWR_HRN: P24.1 U13.3
BRK0_UART_HRN: P22.5 U13.1
BRK1_PWR_HRN: P26.1 U13.4
BRK1_UART_HRN: P25.5 U13.2
CAN1_H: P16.1 P21.1 R49.2 R65.1 R136.2 S1.5 U10.7
CAN1_L: P16.3 P20.1 R48.2 R51.2 R66.1 R137.2 U10.6
CAN1_RXD: P18.1 U6.24 U10.4
CAN1_TXD: P19.1 U6.26 U10.1
CAN2_H: R52.2 R55.1
CAN2_L: R53.2 R55.2
Charge_PWR_SRC: P13.17 S1.3
"E-STOP +": P35.2 P36.1 P44.2 P45.1 R191.1 R194.1
"E-STOP -": K8.3 P35.1 P45.2 P46.1 R192.1 R196.1
E_STOP_FDBK: R196.2 R197.1 U12.4
GND: BT2.1 C1.2 C2.2 C3.2 C4.2 C5.2 C6.2 C7.2 C8.2 C9.2 C10.2 C11.2 C12.2 C13.2 C14.2 C15.2 C16.2 C17.2 C18.2 C19.2 C20.2 C21.2 C22.2 C23.2 C24.2 C25.2 C26.2 C27.2 C28.1 C29.2 C31.1 C33.1 C34.1 C35.2 C36.1 C37.1 C40.1 C41.1 C42.2 C43.2 C44.2 C45.2 C46.2 C47.2 C48.2 C49.2 C50.2 C51.2 C52.2 C53.2 C54.2 C55.2 C56.2 C57.2 C58.2 C59.2 C61.2 C62.2 C63.2 C64.2 C65.2 C66.2 C67.2 C68.2 C69.2 C70.2 C71.1 C72.2 C73.2 C75.2 C76.2 C77.2 C78.2 C79.2 C80.1 C81.2 C82.1 C83.2 C84.2 C85.2 C86.2 C87.1 C88.2 C89.2 C90.2 D7.1 D8.1 D9.1 D10.1 D11.2 D12.2 D13.2 D14.2 D15.2 D16.2 D17.2 D18.2 D19.2 D20.2 D22.1 D23.1 D24.2 D25.2 D26.2 D27.2 K7.4 K7.7 LED1.2 LED2.2 LED4.2 LED5.2 LED10.2 LED11.2 LED12.2 LED13.2 LED14.2 LED15.2 LED16.2 P2.1 P6.2 P7.2 P13.1 P13.11 P15.1 P16.4 P18.2 P19.2 P20.2 P21.2 P22.6 P22.7 P22.8 P23.3 P24.6 P24.7 P24.8 P24.9 P24.10 P25.6 P25.7 P25.8 P26.6 P26.7 P26.8 P26.9 P26.10 P27.2 P28.2 P29.2 P30.2 P31.1 P31.2 P32.1 P32.2 P32.3 P32.4 P33.1 P33.6 P34.1 P34.2 P37.1 P37.2 P38.1 P38.2 P41.1 P41.5 Q1.3 Q2.3 Q3.3 Q4.3 Q5.3 Q6.3 R10.1 R11.1 R21.1 R22.1 R28.1 R29.1 R30.1 R31.1 R32.1 R33.1 R34.1 R44.1 R63.1 R64.1 R68.1 R77.1 R78.1 R79.1 R80.1 R89.1 R90.1 R91.1 R92.1 R93.1 R96.1 R97.1 R98.1 R99.1 R102.1 R103.1 R104.1 R115.1 R126.1 R135.1 R138.1 R143.1 R148.1 R149.1 R154.1 R155.1 R160.1 R161.1 R188.2 R190.2 R193.1 R195.2 R197.2 R202.2 R204.2 R206.2 R207.1 R208.1 TH1.1 TH2.1 TH3.1 TH4.1 TH5.1 TH6.1 U1.4 U2.4 U3.4 U4.4 U5.2 U6.1 U6.2 U6.43 U6.44 U6.45 U6.46 U6.101 U6.102 U7.4 U8.2 U8.7 U9.15 U10.2 U10.8 U11.15 U12.10 U13.10 U17.3 U18.1 U19.3 U20.6 U21.2 U21.7 U22.4 U23. U23.7 U24.2 U24.7 U25.3 U26.3 U27.10 U28.3 U29.3 U30.5 U30.6 U30.7 U30.8 U30.9 U30.10 U30.11 U30.12 U30.13 U31.3 U32.3 U33.3
  other v1: 6300.95,2675 6225.51,2910 5624.52,3056.05 5789.8,3056.05 6785,3191.75 6830,3191.75 5770,3390 5806,3508.78 6405,3825 6406.34,3885 6466.34,3885.63 5800,4535 6860,4945 4065,5045 4338.21,5045 3770,5050 4868.15,5050 3470,5055
  other v2: 3810,7670 3365,7675 3470,7675 3935,7675
GPIO0_RST_n: R69.1 R77.2 U6.108 U12.18
GPIO1_RST_n: R81.1 R89.2 U6.110 U13.18
HB_OUT: D11.1 P22.1 P25.1 U7.1
High_Contactor_Aux: P23.1 U13.21
HV_CHRG/DCHRG_EN: K9.7 P13.12 P13.13
I2C1_SCL: P10.2 R9.2 R20.2 R39.1 R74.2 R86.2 R127.1 R168.1 R179.1
I2C1_SCL_BB: R38.1 R39.2 U6.17 | length 606.9
  Top Layer w10: R39.2@4558.27,7480 4558.27,7415 4598.82,7374.45 4649.72,7374.45 R38.1@4653.54,7370.63 4653.54,7400.28 4663.27,7410 4878.27,7410 4893.27,7395 4893.27,7310 U6.17@4938.27,7265
I2C1_SDA: P10.1 R8.2 R19.2 R40.2 R73.2 R85.2 R130.1 R169.1 R182.1
I2C1_SDA_BB: R35.1 R40.1 U6.18 | length 355.1
  Top Layer w10: R40.1@4568.27,7300 4733.27,7300 ; R35.1@4733.27,7370.63 4733.27,7300 ; U6.18@4838.27,7265 4803.27,7300 4733.27,7300
I2C2_SCL: P11.2 R7.2 R18.2 R41.1 R75.2 R87.2 R133.1 R171.1 R183.1
I2C2_SCL_BB: R37.1 R41.2 U6.19 | length 469.7
  Top Layer w10: R41.2@4558.39,7185 4577.76,7165.63 R37.1@4648.27,7165.63 4648.27,7195 4658.27,7205 4764.92,7205 4774.92,7215 4928.27,7215 4938.27,7205 U6.19@4938.27,7165
I2C2_SDA: P11.1 R6.2 R17.2 R42.2 R76.2 R88.2 R131.1 R172.1 R184.1
I2C2_SDA_BB: R36.1 R42.1 U6.20 | length 343.5
  Top Layer w10: R42.1@4553.39,7085 4593.27,7085 4631.26,7122.99 4733.27,7122.99 R36.1@4733.27,7165.63 4733.9,7165 U6.20@4838.27,7165
IMD_STAT_FDBK: R201.2 R202.1 U12.7
"Inertia_Switch +": K10.4 P35.4 P48.2 P50.2 R198.1 R201.1
"Inertia_Switch -": K11.3 P35.3 P49.1 P50.1 R199.1 R203.1
INRT_STAT_FDBK: R203.2 R204.1 U12.8
INT_SQW: R181.1 U13.8 U30.3
LIM_MCU0: C45.1 R95.1 R97.2 U12.26 U14.1
LIM_MCU1: C46.1 R94.1 R96.2 U12.25 U15.1
LIM_MCU2: C47.1 R101.1 R104.2 U12.24 U16.1
LIM_MCU3: C48.1 R100.1 R103.2 U12.23 U17.1
LIM_OK: D28.1 K8.8 TP14.1 U14.4
LIM_RTN0: P39.1 R95.2
LIM_RTN1: P39.2 R94.2
LIM_RTN2: P40.1 R101.2
LIM_RTN3: P40.2 R100.2
LMT_SW_FDBK: R187.2 R188.1 U12.5
Low_Contactor_Aux: P23.2 U13.22
Low_Contactor_DRV: C89.1 C90.1 K11.4 P16.2 P23.6 P49.2 R200.1 R205.1 TP57.1
MAIN_HB: U6.23 U7.3
MCU_HV_EN: U12.2 U33.1
MCU_LATCH: S2.2 U12.1 U31.1 U32.1
MCU_PUMP_PWR: P43.1 U13.23 U19.1
MCU_STAT_FDBK: R205.2 R206.1 U12.28
"MSTR_SW +": C61.1 C62.1 C63.1 C75.1 C76.1 C77.1 D3.2 D4.2 D5.2 D6.2 D21.2 D28.2 D29.2 D30.2 D31.2 F11.1 F14.2 K3.1 K4.1 K5.1 K6.1 K7.1 K8.1 K9.8 K10.8 K11.1 P23.5 P24.2 P24.3 P24.4 P24.5 P26.2 P26.3 P26.4 P26.5 P30.1 P32.8 P32.9 P32.10 P34.4 P36.2 P39.3 P39.4 P40.3 P40.4 P44.1 R46.2 R47.2 R50.2 R54.2 R56.1 R58.2 R61.1 R140.1 R164.1 R167.1 R174.1 R177.1 S1.2 TP10.1 TP33.1 TP56.1 U8.1 U20.7 U23.2 | length 4158.2
  Top Layer w10: 1480,8420 1660.04,8420 1821.65,8258.39 1821.65,8095.06 1876.72,8040 2130.26,8040 2225.63,7944.63 K6.1@2225.63,7703.62 ; v1(4612.76,7627.76) D3.2@4685,7627.76 4802.24,7627.76 4815,7615 5107.04,7615 5201.02,7521.02 5262.37,7521.02 5466.34,7725 K3.1@5467.91,7725 ; D4.2@4705,6720.47 5000.47,6720.47 5195,6915 5386.22,6915 K4.1@5466.22,6835
  Bottom Layer w10: v1(4612.76,7627.76) 4745.51,7495 4732.8,7482.28 v1(4732.8,6667.8)
MSTR_SW_FDBK: R194.2 R195.1 U12.3
NetBT2_2: BT2.2 C86.1 U30.14
NetC13_1: C13.1 C14.1 C15.1 C16.1 C17.1 C18.1 C19.1 C20.1 C21.1 C22.1 D2.1 K2.1 K2.6 P2.2 R30.2 | length 834
  Top Layer w10: R30.2@5848.27,5209.37 5860.64,5197 5892,5197 v1(5929,5160)
  Bottom Layer w10: v1(5929,5160) 5929,5181 6063,5315 6465,5315 6502,5352 P2.2@6502,5420
NetC26_1: C26.1 L1.2 L2.2 R58.1 TP9.1 U8.8
NetC30_1: C30.1 U9.3
NetC30_2: C30.2 U9.1
NetC31_2: C31.2 P17.2 R66.2
NetC32_1: C32.1 U9.5
NetC32_2: C32.2 U9.4
NetC33_2: C33.2 U9.2
NetC34_2: C34.2 U9.6
NetC38_1: C38.1 U11.3
NetC38_2: C38.2 U11.1
NetC39_1: C39.1 U11.5
NetC39_2: C39.2 U11.4
NetC40_2: C40.2 U11.2
NetC41_2: C41.2 U11.6
NetC60_1: C60.1 U20.1
NetC60_2: C60.2 D22.2 L3.1 TP36.1 U20.8
NetC64_1: C64.1 C65.1 C66.1 C67.1 C68.1 C69.1 L3.2 R139.1 R141.2 TP34.1 U21.8 | length 424.5
  Bottom Layer w10: v1(6205,3832.44) 6205,3650 6195,3640 6226.22,3608.78 v1(6410,3608.78)
NetC74_1: C74.1 U23.1
NetC74_2: C74.2 D23.2 L4.1 TP40.1 U23.8
NetC78_1: C78.1 R153.2 U23.6
NetC79_1: C79.1 L4.2 R150.1 R151.2 TP41.1 U24.8 | length 528.3
  Top Layer w10: TP41.1@5905,2795 5917.57,2795 5957.57,2755 6060,2755 6090,2785 6185,2785 6205,2805 6205,2850 6219.45,2864.45 6345,2864.45
NetC80_2: C80.2 R153.1
NetD1_1: D1.1 K1.2 Q1.4 | length 896.7
  Top Layer w10: Q1.4@4588.27,5320 4588.27,5518.27 4644.72,5574.72 D1.1@5000,5574.72 5055.28,5574.72 5196.14,5433.86 K1.2@5205,5433.86
NetD3_1: D3.1 K3.2 Q3.4 | length 3898.7
  Top Layer w10: Q3.4@4308.27,5320 4320,5331.73 v1(4320,5545) ; v1(4610,7718.31) D3.1@4685,7718.31 5103.31,7718.31 5185,7800 5558.27,7800 K3.2@5633.27,7725
  Bottom Layer w10: v1(4320,5545) 4577.01,5545 4775,5742.99 4775,7553.31 v1(4610,7718.31)
NetD4_1: D4.1 K4.2 Q4.4 | length 3222.8
  Top Layer w10: Q4.4@4033.27,5320 v1(4033.27,5516.73) ; v1(4615.28,6815.28) D4.1@4705,6815.28 4708.87,6819.14 5070.86,6819.14 5186.72,6935 5531.57,6935 K4.2@5631.57,6835
  Bottom Layer w10: v1(4033.27,5516.73) 4091.54,5575 4555,5575 4745,5765 4745,6505 4615,6635 4615.28,6635.28 v1(4615.28,6815.28)
NetD5_1: D5.1 K5.2 Q5.4 | length 5441
  Top Layer w10: D5.1@1570.28,8380 1671.76,8380 1801.65,8250.1 1801.65,8086.78 1824.22,8064.22 1824.22,6575.78 1885,6515 2680,6515 2805,6390 v1(2845,6390) 2411.38,6823.62 K5.2@2396.02,6823.62 ; Q5.4@3738.27,5326.77 v1(3738.27,5521.73)
  Bottom Layer w10: v1(2845,6390) 2845,5905 3245,5505 3453.96,5505 3470.69,5521.73 v1(3738.27,5521.73)
NetD6_1: D6.1 K6.2 Q6.4 | length 5075.9
  Top Layer w10: D6.1@1570.28,8465 1651.59,8465 1845,8271.59 1845,8100 1885,8060 2315,8060 2390.98,7984.02 K6.2@2390.98,7703.62 2259.53,7572.17 v1(2259.53,7525) ; v1(3441.54,5535) 3443.27,5533.27 Q6.4@3443.27,5330
  Bottom Layer w10: v1(2259.53,7525) 2075,7525 1975,7425 1975,7090 2140,6925 2140,6705 2295,6550 2868.23,6550 2930,6488.23 2930,5915 3310,5535 v1(3441.54,5535)
NetD21_1: D21.1 K7.8 U19.4
NetD29_1: D29.1 K9.1 K9.6 U31.4
NetD30_1: D30.1 K11.8 U33.4
NetD31_1: D31.1 K10.1 K10.6 U32.4
NetF2_1: F2.1 K1.4
NetF3_1: F3.1 F5.2 K3.4